# Altium PCB PCB_ControlCard.PcbDoc (part 2 of 4) (continued)
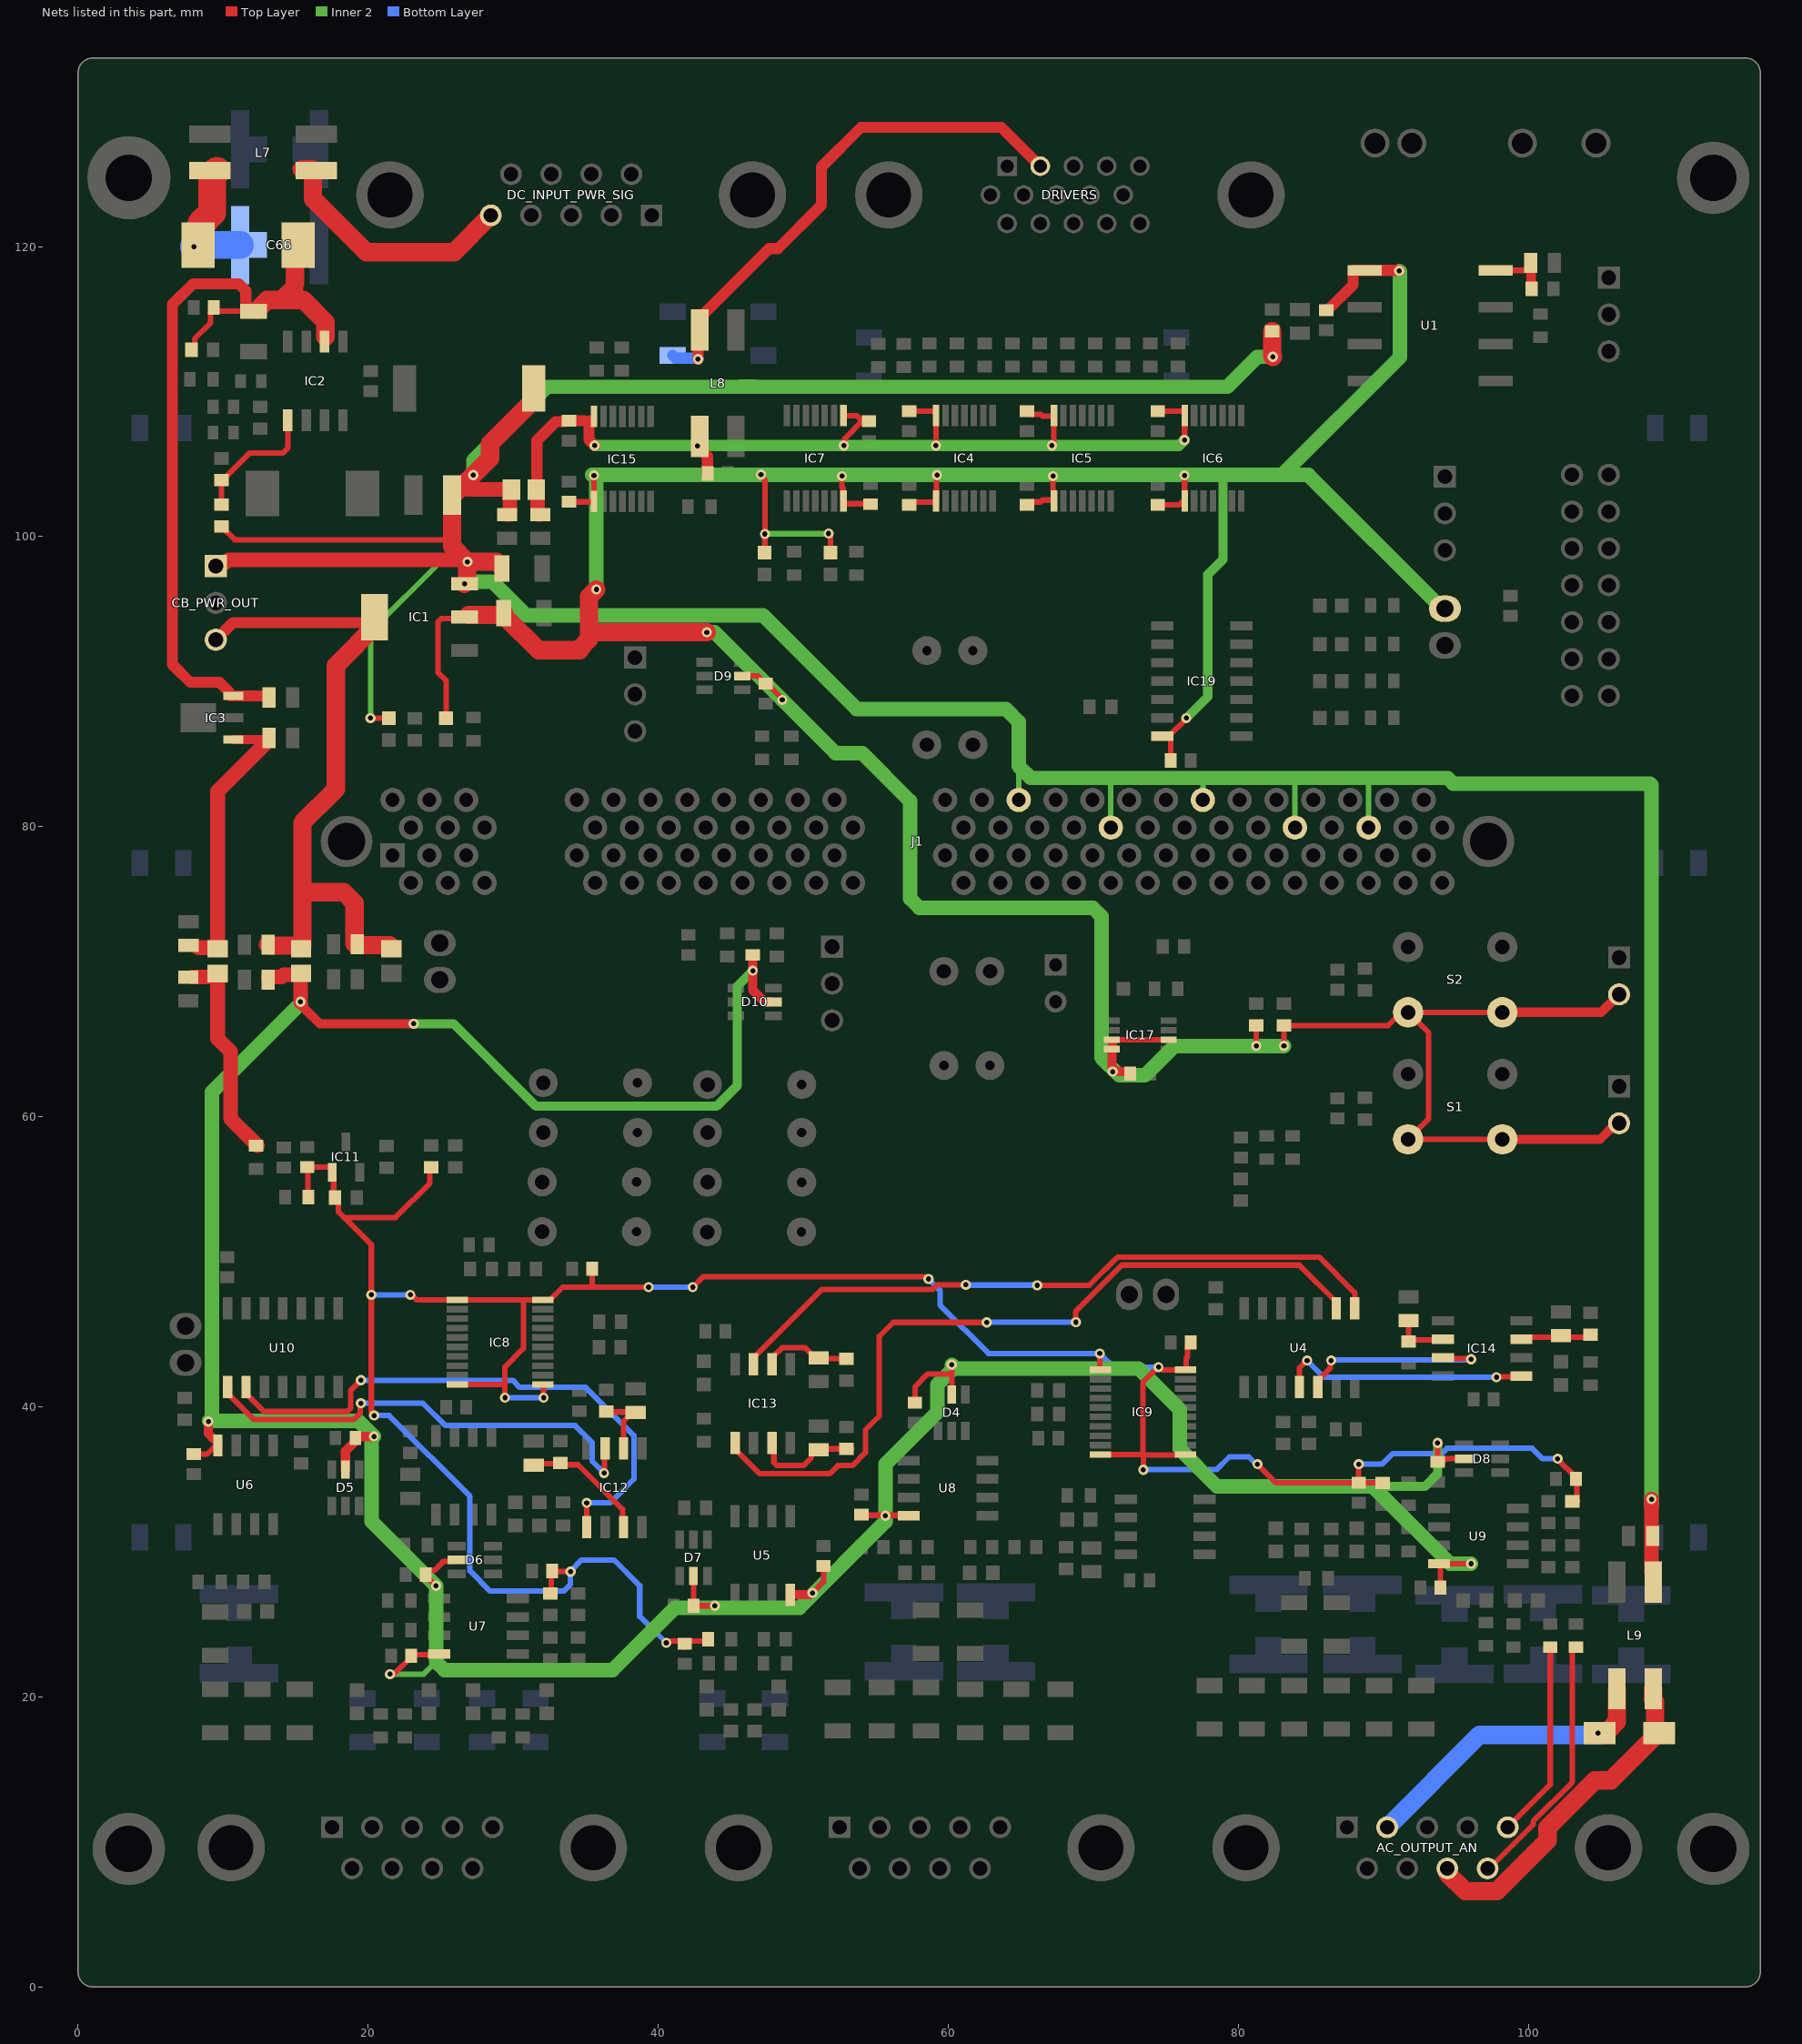
[diagram p4: the nets of this part, all layers, seen from the top]
## Part data (continued)
R13 R87 R131: "Resistor", Manufacturer_Name=Vishay, Mouser Part Number=71-CRCW06034K70FKEAH, Arrow Part Number=CRCW06034K70FKEAHP, Arrow Price/Stock=https://www.arrow.com/en/products/crcw06034k70fkeahp/vishay?region=nac, Datasheet Link=http://www.farnell.com/datasheets/1885357.pdf, Height=0.5mm, Manufacturer_Part_Number=CRCW06034K70FKEAHP, Mouser Price/Stock=https://www.mouser.co.uk/ProductDetail/Vishay-Dale/CRCW06034K70FKEAHP?qs=k2%2FDWSARqgF9tclCHvhGkQ%3D%3D
R14 R25 R26 R30: "Resistor", Manufacturer_Name=Vishay, Mouser Part Number=71-CRCW060315K0FKEAC, Arrow Part Number=CRCW060315K0FKEAC, Arrow Price/Stock=https://www.arrow.com/en/products/crcw060315k0fkeac/vishay?region=nac, Datasheet Link=https://www.arrow.com/en/products/crcw060315k0fkeac/vishay, Height=0.55mm, Manufacturer_Part_Number=CRCW060315K0FKEAC, Mouser Price/Stock=https://www.mouser.co.uk/ProductDetail/Vishay-Dale/CRCW060315K0FKEAC?qs=E3Y5ESvWgWOCeZLgjE8pIw%3D%3D
R15 R16: library part CRCW060347K0FKEAHP, "Resistor", Manufacturer_Name=Vishay, Mouser Part Number=71-CRCW060347K0FKEAH, Arrow Part Number=CRCW060347K0FKEAHP, Arrow Price/Stock=https://www.arrow.com/en/products/crcw060347k0fkeahp/vishay?region=nac, Datasheet Link=http://www.farnell.com/datasheets/1885357.pdf, Height=0.5mm, Manufacturer_Part_Number=CRCW060347K0FKEAHP, Mouser Price/Stock=https://www.mouser.co.uk/ProductDetail/Vishay-Dale/CRCW060347K0FKEAHP?qs=k2%2FDWSARqgGdf8xU6XXKnw%3D%3D
R17 R19 R31 R35 R40: "Resistor", Manufacturer_Name=Vishay, Mouser Part Number=71-CRCW0603-39K-E3, Arrow Part Number=CRCW060339K0FKEA, Arrow Price/Stock=https://www.arrow.com/en/products/crcw060339k0fkea/vishay, Datasheet Link=http://www.vishay.com/docs/20035/dcrcwe3.pdf, Height=0.5mm, Manufacturer_Part_Number=CRCW060339K0FKEA, Mouser Price/Stock=https://www.mouser.co.uk/ProductDetail/Vishay-Dale/CRCW060339K0FKEA?qs=LdkvS58n%252BakpUVpOJpUwUw%3D%3D
R21 R55: library part CRG0603F8K2, "Resistor", Manufacturer_Name="TE Connectivity", Mouser Part Number=279-CRG0603F8K2, Arrow Part Number=CRG0603F8K2, Arrow Price/Stock=https://www.arrow.com/en/products/crg0603f8k2/te-connectivity, Datasheet Link=https://www.te.com/commerce/DocumentDelivery/DDEController?Action=srchrtrv&DocNm=1773204&DocType=Data%20Sheet&DocLang=English&PartCntxt=1623004-1&DocFormat=pdf, Height=0.55mm, Manufacturer_Part_Number=CRG0603F8K2, Mouser Price/Stock=https://www.mouser.com/Search/Refine.aspx?Keyword=279-CRG0603F8K2
R22: "Resistor", Manufacturer_Name=Vishay, Mouser Part Number=71-CRCW060327K0FKEAC, Arrow Part Number=CRCW060327K0FKEAC, Arrow Price/Stock=https://www.arrow.com/en/products/crcw060327k0fkeac/vishay?region=nac, Datasheet Link=https://www.arrow.com/en/products/crcw060327k0fkeac/vishay, Height=0.55mm, Manufacturer_Part_Number=CRCW060327K0FKEAC, Mouser Price/Stock=https://www.mouser.co.uk/ProductDetail/Vishay-Dale/CRCW060327K0FKEAC?qs=E3Y5ESvWgWP9bkV7w8gJXg%3D%3D
R32 R34: "Resistor", Manufacturer_Name=Vishay, Mouser Part Number=71-CRCW06031K80FKEAC, Arrow Part Number=CRCW06031K80FKEAC, Arrow Price/Stock=https://www.arrow.com/en/products/crcw06031k80fkeac/vishay, Datasheet Link=http://www.vishay.com/docs/28773/crcwce3.pdf, Height=0.55mm, Manufacturer_Part_Number=CRCW06031K80FKEAC, Mouser Price/Stock=https://www.mouser.co.uk/ProductDetail/Vishay-Dale/CRCW06031K80FKEAC?qs=E3Y5ESvWgWO9QbyRuawq%2Fw%3D%3D
R33 R36 R52 R60 R61 R63 R64 R66 R67 R69 R70 R71 R72 R74 R75 R76 R77 R78 R79 R80 R81 R82 R83 R106 R107 R111 R120 R132: "Resistor", Manufacturer_Name=Vishay, Mouser Part Number=71-CRCW0603-10K-E3, Arrow Part Number=CRCW060310K0FKEA, Arrow Price/Stock=https://www.arrow.com/en/products/crcw060310k0fkea/vishay?region=nac, Datasheet Link=http://www.vishay.com/docs/20035/dcrcwe3.pdf, Height=0.5mm, Manufacturer_Part_Number=CRCW060310K0FKEA, Mouser Price/Stock=https://www.mouser.co.uk/ProductDetail/Vishay-Dale/CRCW060310K0FKEA?qs=pAO1Z172M84BVnhDjtnsoQ%3D%3D
R37 R112: "Resistor", Manufacturer_Name=Vishay, Mouser Part Number=71-CRCW0603-2.2K-E3, Arrow Part Number=CRCW06032K20FKEA, Arrow Price/Stock=https://www.arrow.com/en/products/crcw06032k20fkea/vishay?region=nac, Datasheet Link=http://www.vishay.com/docs/20035/dcrcwe3.pdf, Height=0.5mm, Manufacturer_Part_Number=CRCW06032K20FKEA, Mouser Price/Stock=https://www.mouser.co.uk/ProductDetail/Vishay-Dale/CRCW06032K20FKEA?qs=wckIcdUuIXiMEbhHncbunA%3D%3D
R38 R41 R42 R48 R53 R54 R84 R85 R118: "Resistor", Manufacturer_Name=Vishay, Mouser Part Number=71-CRCW0603100RFKEBC, Arrow Part Number=CRCW0603100RFKEBC, Arrow Price/Stock=https://www.arrow.com/en/products/crcw0603100rfkebc/vishay?region=nac, Datasheet Link=https://www.vishay.com/docs/28773/crcwce3.pdf, Height=0.55mm, Manufacturer_Part_Number=CRCW0603100RFKEBC, Mouser Price/Stock=https://www.mouser.co.uk/ProductDetail/Vishay-Dale/CRCW0603100RFKEBC?qs=wd5RIQLrsJhdvQFtBw4oWg%3D%3D
R39: "Resistor", Manufacturer_Name=Vishay, Mouser Part Number=71-CRCW0603100KFKEAC, Arrow Part Number=CRCW0603100KFKEAC, Arrow Price/Stock=https://www.arrow.com/en/products/crcw0603100kfkeac/vishay?region=nac, Datasheet Link=https://www.mouser.com/datasheet/2/427/crcwce3-1223726.pdf, Height=0.55mm, Manufacturer_Part_Number=CRCW0603100KFKEAC, Mouser Price/Stock=https://www.mouser.co.uk/ProductDetail/Vishay-Dale/CRCW0603100KFKEAC?qs=E3Y5ESvWgWPxzfNYyMgX1w%3D%3D
R43 R44 R45 R46 R47 R49 R50 R51 R56 R57 R58 R59 R62 R65 R68 R73 R102 R103 R104 R105 R121: "Resistor", Manufacturer_Name=Vishay, Mouser Part Number=71-CRCW060375R0FKEAC, Arrow Part Number=CRCW060375R0FKEAC, Arrow Price/Stock=https://www.arrow.com/en/products/crcw060375r0fkeac/vishay?region=nac, Datasheet Link=https://www.arrow.com/en/products/crcw060375r0fkeac/vishay, Height=0.55mm, Manufacturer_Part_Number=CRCW060375R0FKEAC, Mouser Price/Stock=https://www.mouser.co.uk/ProductDetail/Vishay-Dale/CRCW060375R0FKEAC?qs=E3Y5ESvWgWPOxF9wqCfv4A%3D%3D
R86: "Resistor", Manufacturer_Name=Vishay, Mouser Part Number=71-CRCW0603-1.5K-E3, Arrow Part Number=CRCW06031K50FKEA, Arrow Price/Stock=https://www.arrow.com/en/products/crcw06031k50fkea/vishay?region=nac, Datasheet Link=http://www.vishay.com/docs/20035/dcrcwe3.pdf, Height=0.5mm, Manufacturer_Part_Number=CRCW06031K50FKEA, Mouser Price/Stock=https://www.mouser.co.uk/ProductDetail/Vishay-Dale/CRCW06031K50FKEA?qs=TPnjyyNsHsazZOiw0hmO4g%3D%3D
R88 R90 R91 R92 R93 R94 R95 R96 R97 R98 R99 R100 R123 R124 R125 R126 R127 R128 R129 R130: "Resistor", Manufacturer_Name=Vishay, Mouser Part Number=71-CRCW1206-220K-E3, Datasheet Link=http://www.vishay.com/docs/20035/dcrcwe3.pdf, Height=0.6mm, Manufacturer_Part_Number=CRCW1206220KFKEA, Mouser Price/Stock=https://www.mouser.co.uk/ProductDetail/Vishay-Dale/CRCW1206220KFKEA?qs=bSMkur10BccuQYiNrhxgBA%3D%3D
R89 R108: "Resistor", Manufacturer_Name=Vishay, Mouser Part Number=71-CRCW0603-470-E3, Arrow Part Number=CRCW0603470RFKEA, Arrow Price/Stock=https://www.arrow.com/en/products/crcw0603470rfkea/vishay, Datasheet Link=http://www.vishay.com/docs/20035/dcrcwe3.pdf, Height=0.5mm, Manufacturer_Part_Number=CRCW0603470RFKEA, Mouser Price/Stock=https://www.mouser.co.uk/ProductDetail/Vishay-Dale/CRCW0603470RFKEA?qs=2LLIXXYaQepTa3IToKeExA%3D%3D
R101: "Resistor", Manufacturer_Name=Vishay, Mouser Part Number=71-CRCW06030000Z0EBC, Arrow Part Number=CRCW06030000Z0EBC, Arrow Price/Stock=https://www.arrow.com/en/products/crcw06030000z0ebc/vishay?region=nac, Datasheet Link=https://datasheet.datasheetarchive.com/originals/distributors/DKDS41/DSANUWW0030149.pdf, Height=0.55mm, Manufacturer_Part_Number=CRCW06030000Z0EBC, Mouser Price/Stock=https://www.mouser.co.uk/ProductDetail/Vishay-Dale/CRCW06030000Z0EBC?qs=wd5RIQLrsJgQzOqdcVum5Q%3D%3D
R109 R110: "Resistor", Manufacturer_Name=Vishay, Mouser Part Number=71-CRCW0603-5.6K-E3, Arrow Part Number=CRCW06035K60FKEA, Arrow Price/Stock=https://www.arrow.com/en/products/crcw06035k60fkea/vishay, Datasheet Link=http://www.vishay.com/docs/20035/dcrcwe3.pdf, Height=0.5mm, Manufacturer_Part_Number=CRCW06035K60FKEA, Mouser Price/Stock=https://www.mouser.co.uk/ProductDetail/Vishay-Dale/CRCW06035K60FKEA?qs=%2FAtLfjUBFoX1vHGCl0oHag%3D%3D
S1 S2: "Switch, tact, 5.0mm stem", Manufacturer 1="Wealth Metal", Manufacturer Part Number 1=TC-37XB, Package / Case="6.5x6.5mm; 5.0mm stem", Function=On/Off, Material="Brass/Nylon/Ag plating", SCDType=spec
TP_HS1 TP_HS2 TP_IAC TP_IBRDG TP_IIN TP_IL1 TP_LS1 TP_LS2 TP_VAC TP_VC1 TP_VC1_2 TP_VIN: "Punta Prueba Osciloscopio"
U1: "Integrated Circuit", Manufacturer_Name="Texas Instruments", Mouser Part Number=595-ISO1050DUBR, Arrow Part Number=ISO1050DUBR, Arrow Price/Stock=https://www.arrow.com/en/products/iso1050dubr/texas-instruments?region=nac, Datasheet Link=http://www.ti.com/lit/ds/symlink/iso1050.pdf, Height=4.85mm, Manufacturer_Part_Number=ISO1050DUBR, Mouser Price/Stock=https://www.mouser.co.uk/ProductDetail/Texas-Instruments/ISO1050DUBR?qs=IK5e5L0zOXhhp9hdAolE%252BA%3D%3D
U4 U10: "High Speed CMOS Logic Triple 3-Input OR Gates, D0014A, LARGE T&R", F @ Nom Voltage(Max)(Mhz)=70, Generic Part Number=CD74HC4075, ICC @ Nom Voltage(Max)(mA)=0.02, Manufacturer="Texas Instruments", Mouser Part Number=595-CD74HC4075M96, Operating Temperature Range(C)="-55 to 125", Rating=Catalog, tpd @ Nom Voltage(Max)(ns)=25, Voltage(Nom)(V)=5, Bits(#)=3, Code_JEDEC=MS-012, ComponentLink1Description="Manufacturer URL", ComponentLink1URL=http://www.ti.com/, ComponentLink2Description=Datasheet, ComponentLink2URL=http://www.ti.com/lit/ds/symlink/cd74hc4075.pdf, ComponentLink3Description="Package Specification", ComponentLink3URL=http://www.ti.com/lit/ml/mpds177g/mpds177g.pdf, Datasheet Link=http://www.ti.com/lit/ds/symlink/cd74hc4075.pdf, DatasheetVersion=SCHS210G, Input Type=CMOS, Output Drive (IOL/IOH)(Max)(mA)=5.2/-5.2, Output Type=CMOS, PackageReference=D0014A, PartNumber=CD74HC4075M96, VCC(Max)(V)=6, VCC(Min)(V)=2
U5 U6 U7 U8 U9: "Integrated Circuit", Arrow Part Number=OPA2350UA/2K5, Manufacturer_Name="Texas Instruments", Mouser Part Number=595-OPA2350UA/2K5, Arrow Price/Stock=https://www.arrow.com/en/products/opa2350ua2k5/texas-instruments?region=nac, Datasheet Link=http://www.ti.com/lit/gpn/opa2350, Height=1.75mm, Manufacturer_Part_Number=OPA2350UA/2K5, Mouser Price/Stock=https://www.mouser.co.uk/ProductDetail/Texas-Instruments/OPA2350UA-2K5?qs=7nS3%252BbEUL6t75JUF5jEhbw%3D%3D

## Free pads (board coordinates)
  round 5 hole 3.2: 2(3.5,9.5) 2(112.75,9.5) 2(112.75,124.75)
  round 5.75 hole 3.2: 2(3.5,124.75)

## Via types
v1: diameter 0.75, hole 0.35, Top Layer to Bottom Layer, tented top, 338 vias
v2: diameter 0.7, hole 0.35, Top Layer to Bottom Layer, tented top, 333 vias
v3: diameter 0.7, hole 0.35, Top Layer to Bottom Layer, tented both sides, 325 vias

## Nets (pads, with @x,y where several pads share a name; then routed paths per layer and width w, separated by ;. In a path a pad name is that pad's centre, name@x,y a point inside that pad or via, vN(x,y) a via of type N, cw(c..) or ccw(c..) an arc to the next point about the centre after c; other vN are vias at no path point)
3V3: 3V3_ON.2 C1.2 C6.1 C10.1 C37.1 C39.1 C42.1 C47.1 C53.1 C54.1 C57.1 C78.2 C92.1 CB_PWR_OUT.3 CLEAR_BTN_EXT.2 D9.5 FLT.2 IC1.2 IC1.4 IC4.1 IC5.1 IC6.1 IC7.14 IC15.1 IC17.2 IC17.7 IC17.8 IC19.14 JTAG_3V3.1 L1.1 L5.1 R109.2 R110.2 RDY_ERR.2 RST_BTN_EXT.2 S1.2 S2.2 U1.1 | length 348.5
  Top Layer w0.381: 3V3_ON.2@25.368,87.475 25.368,90.09 24.812,90.646 24.812,94.122 25.035,94.345 IC1.2@26.384,94.345 ; C37.1@33.846,102.418 33.867,102.397 IC15.1@35.579,102.397 ; v2(35.573,104.226) 35.576,104.223 35.576,102.424 IC15.1@35.579,102.421 ; D9.5@45.767,90.392 D9.5@45.797,90.392 46.89,90.392 47.113,90.169 47.113,90.082 47.328,89.867 C6.1@47.418,89.867 47.508,89.867 48.561,88.814 v2(48.561,88.741) ; v2(47.085,104.276) 47.085,104.19 47.364,103.911 v2(47.364,100.187) 47.352,100.174 47.352,98.777 FLT.2@47.364,98.765 ; v2(51.751,100.22) 51.751,100.133 51.886,99.999 RDY_ERR.2@51.886,98.905 ; v2(52.673,104.175) 52.673,103.415 52.746,103.343 52.746,102.509 IC7.14@52.78,102.475 52.78,102.304 52.815,102.27 C57.1@54.603,102.27 ; C42.1@57.307,102.183 57.496,102.371 IC4.1@59.125,102.371 ; IC4.1@59.167,102.475 59.197,102.504 59.197,104.222 v2(59.226,104.251) ; C47.1@65.435,102.183 65.65,102.397 66.372,102.397 66.499,102.524 IC5.1@67.261,102.524 ; v2(67.227,104.175) 67.227,103.253 67.261,103.22 IC5.1@67.261,102.524 ; IC5.1@67.295,102.475 67.261,102.509 IC5.1@67.261,102.524 ; IC17.7@71.297,65.318 74.842,65.318 IC17.2@74.898,65.262 ; C53.1@74.452,102.183 75.929,102.183 IC6.1@76.27,102.524 ; IC19.14@75.214,86.233 76.422,87.441 v2(76.422,87.487) ; IC19.14@75.349,86.098 75.349,84.695 C92.1@75.351,84.693 ; v2(76.295,104.226) 76.304,104.217 IC6.1@76.304,102.483 ; v2(81.248,64.881) R110.2@81.248,66.29 ; v2(83.153,64.881) R109.2@83.153,66.29 90.336,66.29 91.34,67.294 S2.2@91.714,67.294 ; S2.2@91.662,67.167 91.75,67.167 93.132,65.785 93.132,59.858 S1.2@91.714,58.44 S1.2@98.214,58.44 ; S2.2@91.714,67.203 97.722,67.203 S2.2@97.885,67.04
  Top Layer w0.635: IC17.7@71.342,65.135 71.342,64.713 IC17.8@71.297,64.668 71.297,63.402 v2@71.469,63.23 ; v2@71.469,63.103 72.469,63.103 72.557,63.016 C54.1@72.557,62.976 ; S1.2@98.214,58.44 104.952,58.44 106.059,59.547 RST_BTN_EXT.2@106.267,59.547 ; S2.2@98.214,67.203 105.033,67.203 CLEAR_BTN_EXT.2@106.267,68.437 CLEAR_BTN_EXT.2@106.521,68.437
  Top Layer w0.762: CB_PWR_OUT.3@9.493,92.897 10.671,94.075 IC1.4@20.73,94.075 ; C39.1@86.074,115.609 86.098,115.633 86.188,115.633 87.918,117.363 87.918,118.333 87.949,118.364 91.074,118.364 v2(91.106,118.332)
  Top Layer w1.27: C1.2@13.107,71.866 13.167,71.806 15.395,71.806 15.462,71.739 15.462,75.295 ; IC1.4@20.73,94.075 17.773,91.118 17.773,82.585 15.462,80.273 15.462,75.295 ; L5.1@21.685,71.612 21.472,71.825 19.307,71.825 C78.2@19.247,71.885 19.127,71.885 19.067,71.945 19.067,74.742 18.323,75.486 15.653,75.486 15.462,75.295 ; IC1.2@26.928,94.6 29.234,94.6 29.344,94.71 C10.1@29.344,94.742 ; C10.1@29.454,94.467 31.751,92.17 34.609,92.17 ; 34.609,92.297 35.226,92.914 35.226,95.853 v2(35.734,96.361) ; 35.226,93.405 v2(43.354,93.405)
  Inner 2 w0.381: v2(47.364,100.187) 47.381,100.203 51.735,100.203 v2(51.751,100.22)
  Inner 2 w0.635: v2(76.422,87.487) 77.898,88.963 77.898,97.377 78.962,98.441 78.962,104.251
  Inner 2 w1: v2@35.448,104.251 v2@35.48,104.251 ; v2@35.48,104.235 35.734,103.981 v2(35.734,96.361) v2@35.718,96.377 ; v2@35.573,104.251 59.086,104.251 v2@59.102,104.235 ; v2(43.354,93.405) 43.897,93.405 v2(48.561,88.741) 52.228,85.074 54.07,85.074 57.372,81.772 57.372,75.041 58.007,74.406 69.982,74.406 70.568,73.82 70.568,64.082 71.801,62.849 73.571,62.849 75.603,64.881 v2(81.248,64.881) v2(83.153,64.881) ; v2(59.226,104.251) 78.962,104.251 82.75,104.251 ; 82.75,104.25 84.84,104.25 94.05,95.04 JTAG_3V3.1@94.25,95.04 ; 83.026,104.251 91.154,112.379 91.154,118.284 v2(91.106,118.332)
  other v2: 71.342,63.103
3V3_REF: C33.1 C36.1 C61.1 C62.1 C82.1 C94.1 C95.1 IC8.1 IC8.10 IC8.11 IC8.20 IC9.1 IC9.10 IC9.11 IC9.20 IC11.1 R10.2 R15.2 R24.2 R35.2 R85.2 R86.1 R131.1 | length 196.8
  Top Layer w0.381: R85.2@15.84,54.173 C82.1@15.84,56.531 ; C82.1@15.97,56.753 15.84,56.623 C82.1@15.84,56.531 ; IC11.1@17.494,56.446 17.41,56.531 C82.1@15.84,56.531 ; IC11.1@17.519,56.171 17.619,56.071 R86.1@17.619,54.469 ; R86.1@17.719,54.427 17.954,54.192 17.954,53.435 18.335,53.054 ; v2(20.411,39.392) 20.411,39.478 20.222,39.668 v2(20.222,47.72) 20.222,51.167 18.335,53.054 ; v2(22.907,47.72) 22.993,47.72 23.338,47.375 IC8.11@26.164,47.375 30.702,47.375 ; R131.1@24.352,56.511 24.259,56.418 24.259,55.422 21.891,53.054 18.335,53.054 ; IC8.20@26.164,41.525 29.432,41.525 ; v2(29.432,40.624) 29.432,41.525 ; IC8.10@31.952,47.375 30.702,47.375 ; IC8.1@32.04,41.525 32.065,41.525 32.099,41.49 v2(32.099,40.624) ; IC8.10@32.04,47.375 32.553,47.375 33.422,48.244 35.528,48.244 ; R35.2@32.559,27.134 32.623,27.198 32.623,28.607 C94.1@32.686,28.67 32.708,28.648 33.934,28.648 v2(33.956,28.626) ; C61.1@35.456,49.514 35.456,48.316 35.528,48.244 ; v2(39.338,48.244) 35.528,48.244 ; v2(40.56,23.717) 40.646,23.717 40.773,23.844 41.83,23.844 R10.2@43.429,23.844 ; C95.1@41.83,23.411 C95.1@41.83,23.645 ; v2(42.386,48.244) 43.113,48.971 v2@58.396,48.971 ; IC9.11@70.326,42.529 70.399,42.529 70.453,42.584 v2(70.453,43.672) ; IC9.20@70.487,36.699 73.33,36.699 ; v2(73.453,35.655) 73.453,36.671 ; v2@74.517,42.783 73.425,41.691 73.425,36.671 73.453,36.671 ; v2@74.767,42.549 76.275,42.549 IC9.10@76.295,42.529 ; IC9.1@75.739,36.671 73.453,36.671 ; IC9.10@76.422,42.529 76.422,43.346 76.517,43.44 76.517,44.22 C62.1@76.731,44.434 ; v2(81.327,36.036) 82.614,34.749 C36.1@88.312,34.749 v2(88.312,36.036) ; C36.1@88.312,34.752 R24.2@89.961,34.752 ; v2(102.028,36.417) 102.028,36.38 103.298,35.11 C33.1@103.298,35.02 ; C33.1@103.362,34.83 103.362,33.548 R15.2@103.425,33.484 ; 29.432,41.525 29.432,42.748 30.702,44.018 30.702,47.375
  Bottom Layer w0.381: v2(20.222,47.72) v2(22.907,47.72) ; v2(20.411,39.392) 21.456,39.392 27.019,33.829 27.019,28.686 28.416,27.289 33.489,27.289 33.949,27.748 v2@33.949,28.619 ; v2(29.432,40.624) v2(32.099,40.624) ; v2@33.949,28.663 34.718,29.432 36.955,29.432 38.727,27.66 38.727,25.55 v2(40.56,23.717) ; v2(39.338,48.244) v2(42.386,48.244) ; v2(58.642,48.812) 59.435,48.019 59.435,47.01 62.773,43.672 v2(70.453,43.672) ; v2@70.557,43.568 71.397,42.728 v2(74.501,42.728) ; v2(73.453,35.655) 78.499,35.655 79.39,36.546 80.731,36.546 81.241,36.036 v2(81.327,36.036) ; v2(88.312,36.036) 89.922,36.036 90.641,36.754 94.02,36.754 94.401,37.135 100.27,37.135 100.989,36.417 v2(102.028,36.417)
5V: 5V_ON.2 C4.2 C7.2 C8.1 C14.2 CB_PWR_OUT.1 IC1.3 J1.77 J1.82 J1.87 J1.92 J1.96 L2.2 L4.1 L9.1 R2.1 R5.2 | length 292.4
  Top Layer w0.381: R5.2@9.883,100.716 10.809,99.79 25.447,99.79 25.574,99.917 ; v2(20.161,87.487) 20.173,87.475 5V_ON.2@21.431,87.475
  Top Layer w1: CB_PWR_OUT.1@9.493,97.977 9.758,98.242 10.193,98.242 10.344,98.393 v2@26.717,98.393 ; L9.1@108.505,28.543 v2(108.505,33.623)
  Top Layer w1.016: 26.67,103.505 26.924,103.251 L4.1@29.845,103.251 ; C14.2@29.591,101.531 29.725,101.531 29.778,101.584 29.778,103.045 29.845,103.112 L4.1@29.845,103.251 ; L4.1@29.884,103.251 L4.1@29.845,103.251
  Top Layer w1.27: C4.2@25.794,102.858 25.794,99.316 26.717,98.393 v2(26.844,98.266) ; C4.2@26.115,103.112 28.406,105.403 28.406,106.42 31.25,109.264 L2.2@31.25,110.5 ; v2(26.638,96.758) 26.823,96.943 26.823,98.245 v2(26.844,98.266) ; C8.1@29.107,98.065 29.062,98.065 28.861,98.266 v2(26.844,98.266) ; R2.1@82.34,114.169 82.34,112.455 v2(82.391,112.404)
  Inner 2 w0.381: v2(20.161,87.487) 20.161,93.456 25.098,98.393 25.732,98.393 25.859,98.266 v2(26.844,98.266) ; J1.77@64.864,81.844 64.864,84.057 64.929,84.122 ; J1.82@71.214,79.939 71.215,83.296 ; J1.87@77.564,81.844 77.564,83.36 ; J1.92@83.914,79.939 83.914,83.36 ; J1.96@88.994,79.939 88.994,83.36
  Inner 2 w1: v2(26.638,96.758) 26.765,96.885 28.591,96.885 30.893,94.583 47.224,94.583 53.685,88.122 63.976,88.122 64.865,87.233 64.865,84.185 64.929,84.122 65.69,83.36 71.279,83.36 ; v2(27.25,104.25) 27.25,105.25 32.331,110.331 45.678,110.331 45.709,110.362 46.64,110.362 46.671,110.331 79.238,110.331 81.312,112.404 v2(82.391,112.404) ; 71.215,83.296 71.279,83.36 ; 81.185,83.36 77.564,83.36 71.279,83.36 ; 81.248,83.36 83.914,83.36 88.919,83.36 ; 88.957,83.36 88.994,83.36 94.443,83.36 94.825,82.977 108.407,82.977 ; 108.505,33.115 v2(108.505,33.623) 108.505,82.879
5V-ISO: C40.2 R3.2 U1.8 | length 4.3
  Top Layer w0.381: U1.8@97.762,118.364 C40.2@100.199,118.364 ; C40.2@100.22,118.997 C40.2@100.222,118.999
  Top Layer w0.635: R3.2@100.234,117.094 100.199,117.129 100.199,118.364 100.199,118.916 C40.2@100.25,118.967
5V_DRV: C15.2 C32.1 C38.1 C43.1 C48.1 C55.1 C58.1 IC4.14 IC5.14 IC6.14 IC7.1 IC15.14 L4.2 L8.1 | length 70.4
  Top Layer w0.381: 34.9,107.989 35.545,107.989 IC15.14@35.545,108.188 ; IC7.1@52.78,108.351 53.681,108.351 54.059,107.973 C58.1@54.53,107.973 ; v2(52.8,106.283) 52.861,106.344 52.861,106.757 C58.1@54.077,107.973 ; C43.1@57.307,108.643 59.133,108.643 59.15,108.626 IC4.14@59.15,108.315 ; v2(59.15,106.283) 59.159,106.292 59.159,108.342 IC4.14@59.167,108.351 ; C48.1@65.435,108.643 65.65,108.428 66.385,108.428 66.499,108.315 IC5.14@67.278,108.315 ; v2(67.151,106.283) 67.151,106.369 67.295,106.514 IC5.14@67.295,108.351 ; C55.1@74.39,108.569 74.464,108.643 76.278,108.643 76.312,108.608 IC6.14@76.312,108.351 ; v2(76.295,106.664) 76.304,106.673 IC6.14@76.304,108.306
  Top Layer w0.762: L4.2@31.64,103.378 31.64,106.629 ; 31.681,106.681 32.934,107.934 C38.1@33.592,107.934 ; C38.1@33.846,107.989 34.9,107.989 ; 35.229,107.989 35.229,106.678 v2(35.624,106.283) ; L8.1@42.973,106.013 42.973,105.978 43.402,105.549 43.402,104.386 C32.1@43.426,104.362
  Top Layer w1.016: L4.2@31.623,103.251 31.676,103.198 31.676,101.732 31.69,101.718 31.69,101.584 31.743,101.531 C15.2@31.877,101.531
  Inner 2 w0.762: v2(35.624,106.283) 48.799,106.283 48.815,106.267 ; 48.815,106.283 v2(52.8,106.283) v2(59.15,106.283) v2(67.151,106.283) 75.914,106.283 v2(76.295,106.664)
  other v2: 42.719,106.267
5V_DRV_RAW: C119.1 DRIVERS.2 L8.2 | length 36.3
  Top Layer w0.762: v2(42.75,112.25) 42.75,114.969 47.653,119.872 48.264,119.872 51.253,122.861 51.253,125.495 53.975,128.217 63.683,128.217 DRIVERS.2@66.349,125.551
  Bottom Layer w0.762: C119.1@41,112.5 41.194,112.306 42.694,112.306 v2(42.75,112.25)
5V_FB: IC2.5 R5.1 R37.2 | length 9.1
  Top Layer w0.381: R5.1@9.883,102.216 R37.2@9.883,103.798 ; R37.2@9.883,103.891 9.958,103.891 11.842,105.775 14.129,105.775 14.455,106.101 14.455,108.006 IC2.5@14.51,108.061
5V_LIN: C17.1 C96.2 IC3.1 L6.1 | length 19.5
  Top Layer w0.635: IC3.1@10.699,86.012 C17.1@13.066,86.012
  Top Layer w1.016: C96.2@8.297,71.665 9.528,71.665 L6.1@9.62,71.573 9.62,82.433 C17.1@13.116,85.928
+15V: C66.1 D1.2 L7.2 | length 9.1
  Top Layer w1.905: D1.2@8.083,120 8.478,120.395 8.478,121.577 9.25,122.348 9.25,124.925 L7.2@9.575,125.25
  Bottom Layer w1.905: v2(8,120) 8.11,120.11 C66.1@11.17,120.11
+15V_PROT: C5.2 C9.1 C16.1 D1.1 IC2.2 IC3.3 R1.2 | length 56
  Top Layer w0.381: R1.2@7.816,112.88 8.026,113.09 8.026,113.642 9.144,114.76 9.144,115.504 9.187,115.547 C5.2@11.596,115.547
  Top Layer w0.762: IC3.3@10.699,89.012 10.476,89.012 10.38,89.108 10.38,89.331 9.76,89.951 7.74,89.951 6.5,91.191 6.5,116.02 7.923,117.443 11.096,117.443 11.568,116.971 11.568,115.691 11.594,115.665 C5.2@12.239,115.665 ; IC3.3@11.018,89.024 13.095,89.024 13.169,88.95 C16.1@13.169,88.909
  Top Layer w1.27: C5.2@12.372,115.657 13.031,116.316 14.033,116.316 ; 14.906,117.189 14.033,116.316 ; D1.1@14.906,119.856 14.948,119.814 14.948,117.488 ; IC2.2@17.05,113.776 17.05,114.803 15.537,116.316 14.033,116.316
+15V_RAW: DC_INPUT_PWR_SIG.5 L7.1 | length 17.6
  Top Layer w1.27: L7.1@15.406,125.337 16.161,125.337 16.196,125.302 16.196,123.291 19.869,119.618 25.924,119.618 28.389,122.083 28.389,122.121 DC_INPUT_PWR_SIG.5@28.368,122.142
+IAC_TR: C68.1 IC14.6 R67.1 | length 3.4
  Top Layer w0.381: R67.1@91.682,44.618 R67.1@91.75,44.618 ; R67.1@91.75,44.5 R67.1@91.75,44.618 ; C68.1@91.75,45.5 R67.1@91.75,44.618 ; R67.1@92,44.618 94.266,44.618 IC14.6@94.3,44.652
+IAC_Trp: IC14.1 U4.11 | length 17.1
  Top Layer w0.381: U4.11@84.22,41.652 84.22,42.691 84.721,43.192 v2(84.756,43.192) ; v2(97.809,42.037) 97.847,42.075 99.549,42.075 IC14.1@99.587,42.037
  Bottom Layer w0.381: v2(84.756,43.192) 85.911,42.037 v2(97.809,42.037)
+Ibrdg_TR: C71.1 IC13.6 R76.1 | length 6.4
  Top Layer w0.381: IC13.6@47.898,42.926 47.898,43.426 48.539,44.067 50.131,44.067 50.833,43.365 C71.1@51.073,43.365 51.108,43.33 R76.1@53.255,43.33
+Ibrdg_Trp: IC13.1 U4.2 | length 54.6
  Top Layer w0.381: IC13.1@45.306,37.512 45.306,37.075 46.999,35.382 51.832,35.382 52.391,35.941 53.396,35.941 54.292,36.837 54.292,38.398 55.239,39.345 55.239,44.841 56.213,45.815 v2(62.658,45.815) ; v2(68.802,45.831) 68.802,46.593 71.977,49.768 84.211,49.768 86.76,47.219 U4.2@86.76,46.781
  Bottom Layer w0.381: v2(62.658,45.815) 62.666,45.823 68.794,45.823 v2(68.802,45.831)
+Il1_TR: C67.1 IC12.6 R66.1 | length 4.7
  Top Layer w0.381: R66.1@36.416,39.671 36.451,39.636 38.107,39.636 38.175,39.568 C67.1@38.246,39.497 ; IC12.6@37.611,37.129 37.611,39.004 38.231,39.624 C67.1@38.246,39.624
+Il1_Trp: IC12.1 U10.2 | length 39.5
  Top Layer w0.381: U10.2@11.576,41.357 11.576,40.919 12.828,39.667 18.562,39.667 18.786,39.891 18.786,41.109 v2(19.504,41.827) ; IC12.1@35.071,31.705 35.072,31.706 v2(35.074,33.369) v2(35.074,33.369)
  Bottom Layer w0.381: v2(19.504,41.827) 29.97,41.827 30.455,41.342 35.004,41.342 38.329,38.017 38.329,35.008 36.69,33.369 v2(35.074,33.369)
-IAC_TR: C73.1 IC14.3 R82.1 | length 4.7
  Top Layer w0.381: IC14.3@99.714,44.577 99.924,44.787 104.103,44.787 R82.1@104.286,44.97
-IAC_Trp: IC14.7 U4.12 | length 13.6
  Top Layer w0.381: U4.12@85.49,41.357 85.49,41.794 86.346,42.65 86.346,43.131 v2(86.407,43.192) ; IC14.7@94.418,43.345 94.434,43.329 96.005,43.329 v2(96.059,43.275)
  Bottom Layer w0.381: v2(86.407,43.192) 86.449,43.233 96.017,43.233 v2(96.059,43.275)
-Ibrdg_TR: C64.1 IC13.3 R64.1 | length 7.5
  Top Layer w0.381: IC13.3@47.846,37.512 47.981,37.378 47.981,36.164 48.204,35.941 50.005,35.941 50.569,36.504 50.569,36.761 50.764,36.957 C64.1@51.021,36.957 ; C64.1@51.021,37.004 51.113,37.096 53.347,37.096 R64.1@53.359,37.084
-Ibrdg_Trp: IC13.7 U4.1 | length 46.9
  Top Layer w0.381: IC13.7@46.576,42.936 46.576,43.374 51.296,48.093 58.94,48.093 59.252,48.406 v2(61.21,48.406) ; v2(66.135,48.371) 69.723,48.371 71.679,50.327 85.578,50.327 88.013,47.892 ; U4.1@88.03,46.781 88.058,46.809 88.058,47.847
  Bottom Layer w0.381: v2(61.21,48.406) 61.228,48.388 66.118,48.388 v2(66.135,48.371)
-Il1_TR: C72.1 IC12.3 R81.1 | length 9
  Top Layer w0.381: C72.1@31.146,36.08 33.206,36.08 R81.1@33.241,36.115 ; R81.1@33.166,36.068 33.236,35.998 34.476,35.998 37.546,32.929 37.546,31.77 IC12.3@37.611,31.705
-Il1_Trp: IC12.7 U10.1 | length 32.5
  Top Layer w0.381: U10.1@10.306,41.357 10.306,40.919 12.117,39.109 19.006,39.109 19.465,39.568 19.465,40.204 v2(19.504,40.243) ; v2(36.267,35.426) 36.304,35.463 36.304,37.092 IC12.7@36.341,37.129
  Bottom Layer w0.381: v2(19.504,40.243) 23.78,40.243 25.32,38.703 34.274,38.703 35.46,37.517 35.46,36.234 v2(36.267,35.426)
A3V3: C2.2 C75.1 C76.1 C77.1 C80.1 C83.1 C84.1 C86.1 C87.1 C88.1 C89.1 C122.1 D4.5 D5.5 D6.5 D7.5 D8.5 D10.5 L1.2 U5.8 U6.8 U7.8 U8.8 U9.8 | length 250.3
  Top Layer w0.381: C83.1@7.969,36.742 8.913,36.742 U6.8@9.493,37.322 ; v2(21.51,21.558) 21.571,21.619 21.843,21.619 22.907,22.683 C75.1@22.907,22.828 ; C75.1@23.026,22.892 24.749,22.892 U7.8@24.812,22.955 ; v2(24.685,27.654) 24.65,27.654 23.978,28.326 C88.1@23.978,28.416 23.978,28.506 24.193,28.721 24.572,28.721 25.174,29.323 25.973,29.323 D6.5@26.082,29.432 ; C86.1@42.437,26.277 D7.5@42.437,28.341 ; C86.1@42.719,26.273 v2(43.91,26.273) ; v2(50.641,27.162) 51.403,27.924 51.403,28.94 C80.1@51.276,29.067 ; C77.1@54.022,32.552 54.058,32.516 v2@55.637,32.516 ; v2@55.673,32.516 57.288,32.516 U8.8@57.324,32.48 ; C84.1@57.705,40.282 57.705,41.37 58.594,42.259 60.245,42.259 ; D4.5@60.245,40.842 60.245,42.259 ; v2(60.245,42.894) 60.245,42.259 ; C87.1@93.75,36 C87.1@93.75,36.1 ; C87.1@93.75,36.19 v2(93.75,37.5) ; C76.1@93.955,27.527 93.955,29.044 94.09,29.178 U9.8@94.154,29.178 ; C87.1@94,36.1 94.317,36.417 D8.5@95.571,36.417 ; U9.8@94.408,29.178 v2(96.059,29.178)
  Top Layer w0.635: v2(8.985,38.973) 8.973,38.961 8.973,38.148 9.345,37.776 9.629,37.776 U6.8@9.629,37.338 ; v2(15.335,67.929) 15.347,67.917 15.347,67.726 15.711,67.362 16.659,66.414 v2(23.136,66.414) ; D5.5@18.434,35.667 18.434,36.936 C89.1@19.037,37.538 ; C89.1@19.124,37.846 19.124,37.851 19.212,37.939 20.386,37.939 v2(20.399,37.951) ; C122.1@46.529,71.16 v2(46.529,70.072) 46.529,68.715 47.313,67.931 D10.5@47.698,67.931 ; U5.8@49.109,27.032 50.494,27.032 50.623,27.162 v2(50.641,27.162)
  Top Layer w1: C2.2@13.107,69.453 13.107,69.603 13.152,69.648 14.035,69.648 14.179,69.792 L1.2@15.293,69.792
  Top Layer w1.016: v2(15.335,67.929) L1.2@15.335,69.848
  Inner 2 w0.381: v2(21.51,21.558) 23.829,21.558 24.685,22.414
  Inner 2 w0.635: v2(23.136,66.414) 25.888,66.414 31.584,60.719 44.021,60.719 45.462,62.16 45.462,69.005 v2(46.529,70.072) ; 89.294,34.5 92.872,34.5 93.75,35.378 v2(93.75,37.5)
  Inner 2 w1: v2@9.049,39.037 19.313,39.037 v2(20.399,37.951) 20.25,37.802 20.25,32.089 v2(24.685,27.654) 24.685,22.414 25.262,21.837 36.851,21.837 41.16,26.146 49.752,26.146 55.673,32.067 v2(55.673,32.48) 55.673,36.036 59.25,39.613 59.25,41.518 60.245,42.513 v2(60.245,42.894) 60.495,42.644 73.132,42.644 75.959,39.817 75.959,37.086 78.545,34.5 89.294,34.5 94.616,29.178 v2(96.059,29.178) ; 9.239,39.227 9.239,61.706 v2@15.335,67.802
A5V_LIN: C97.2 L6.2 R84.1 | length 14.9
  Top Layer w1.016: C97.2@7.826,69.64 9.287,69.64 9.481,69.834 L6.2@9.62,69.834 ; L6.2@9.62,69.873 L6.2@9.62,69.834 ; R84.1@12.366,58.007 10.509,59.864 10.509,64.5 9.62,65.389 L6.2@9.62,69.834
AC_OUTPUT_5V: AC_OUTPUT_AN.8 D2.1 L9.2 | length 23.6
  Top Layer w1.27: AC_OUTPUT_AN.8@94.408,7.842 95.653,6.597 97.842,6.597 101.337,10.092 101.337,10.982 104.578,14.224 105.69,14.224 108.833,17.367 D2.1@109.158,17.367 ; L9.2@108.612,20.55 108.612,19.795 108.747,19.66 108.747,17.634 108.76,17.621 D2.1@109.14,17.621
AC_OUTPUT_GND: AC_OUTPUT_AN.2 D2.2 L9.3 | length 20.5
  Top Layer w1.27: v2(104.822,17.494) D2.2@104.931,17.494 ; D2.2@105.523,17.687 106.112,18.276 L9.3@106.112,20.55
  Bottom Layer w1.27: AC_OUTPUT_AN.2@90.344,11.017 90.344,11.074 96.637,17.367 v2@104.949,17.367
AC_OUTPUT_OC_5V: AC_OUTPUT_AN.5 R62.1 | length 13.6
  Top Layer w0.381: AC_OUTPUT_AN.5@98.58,11 101.52,13.94 R62.1@101.52,23.425
AC_OUTPUT_RST_5V: AC_OUTPUT_AN.9 R65.1 | length 17.9
  Top Layer w0.381: AC_OUTPUT_AN.9@97.195,8.16 97.322,8.16 100.334,11.172 100.334,11.398 103.044,14.108 103.044,23.215 103.254,23.425 R65.1@103.298,23.425